# Altium PCB spd150.PcbDoc (part 9 of 15)
Units mil, origin at the board's own origin, x right, y up, seen from the top; angles counter-clockwise.
Board outline 8557 x 5807 mil, 10 copper layers (TOP, LYR2-PLN, LYR3-SIG, LYR4-SIG, LYR5-PLN, LYR6-PLN, LYR7-SIG, LYR8-SIG, LYR9-PLN, BOTTOM), stack 84 mil thick; 1065 components, 972 nets, 4226 pads, 2810 vias.
Unrouted connection lines stored in the file: 16.
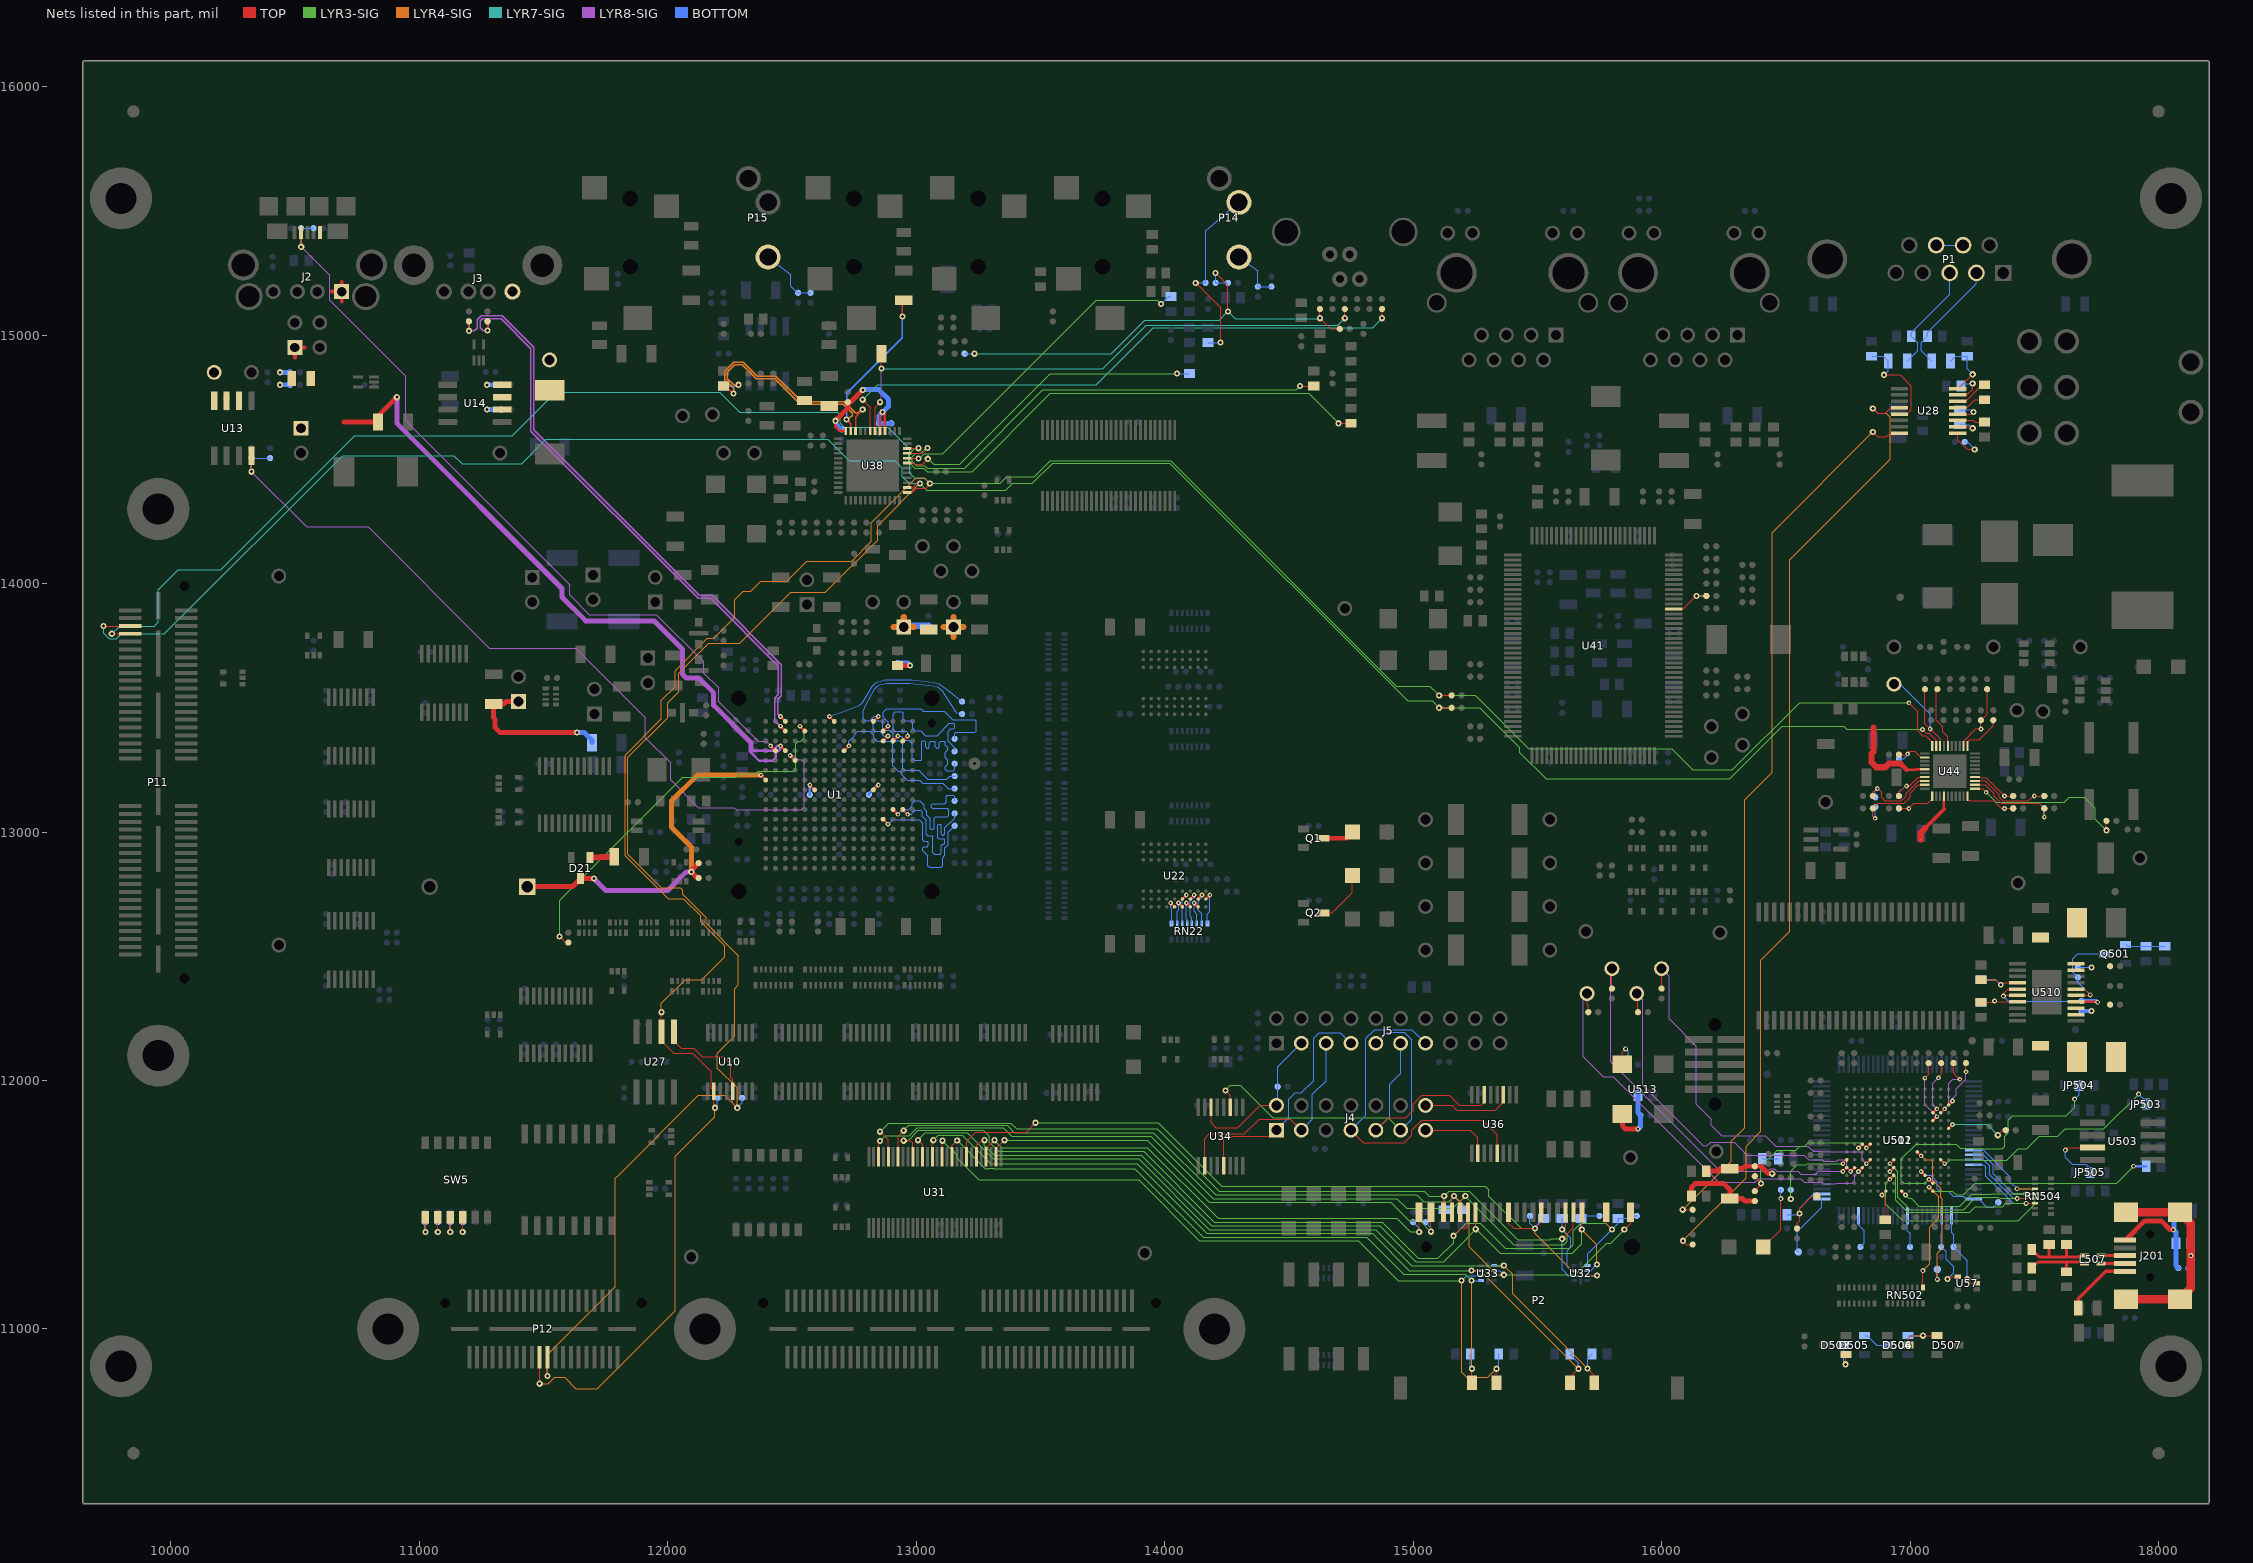
[diagram p17: the nets of this part, all layers, seen from the top]

## Via types
v1: diameter 25, hole 12, TOP to BOTTOM, 2018 vias
v2: diameter 19, hole 8, TOP to BOTTOM, 651 vias
v3: diameter 20, hole 10, TOP to BOTTOM, 120 vias
v4: diameter 22, hole 10, TOP to BOTTOM, 21 vias

## Nets (pads, with @x,y where several pads share a name; then routed paths per layer and width w, separated by ;. In a path a pad name is that pad's centre, name@x,y a point inside that pad or via, vN(x,y) a via of type N, cw(c..) or ccw(c..) an arc to the next point about the centre after c; other vN are vias at no path point) (continued)
GP2: JP503.2 U502.E2 | length 972.3
  TOP w10: U502.E2@17123.3,11681.2 v2(17139,11665.4)
  LYR3-SIG w4: v2(17139,11665.4) 17145.4,11665.4 17160.9,11680.9 17254.1,11680.9 17255,11680
  LYR3-SIG w5: 17255,11680 17390,11680 17435,11725 17470,11725 17520,11775 17595,11775 17625,11805 17780,11805 v3(17920,11945)
  BOTTOM w5: v3(17920,11945) 17950,11915 JP503.2@17950,11905
GP3: JP504.2 U502.B3 | length 1177.1
  TOP w10: v2(17076,11602.4) 17076.1,11602.4 U502.B3@17091.8,11586.7
  LYR3-SIG w4: v2(17076,11602.4) 17060.5,11586.9 16975,11586.9 16965,11596.9 16965,11685 17023.9,11743.9 17186.1,11743.9 17202,11728 17254,11728
  LYR3-SIG w5: 17254,11728 17256,11726 17370,11726 17380,11736 17380,11775 17395,11790 17395,11840 17412.5,11857.5 17627.5,11857.5 17662,11892 v3(17662,11925)
  BOTTOM w5: v3(17662,11925) 17680,11943 JP504.2@17680,11980
GP4: JP508.1 RN502.9 U502.A3 | length 1403.5
  TOP w5: RN502.9@17051.6,11167 v3(17051.6,11235)
  TOP w10: v2(17076,11570.9) 17076.1,11570.9 U502.A3@17091.8,11555.2
  LYR3-SIG w4: v2(17076,11570.9) 17091.9,11555 17170,11555 17185.5,11539.5 17214.5,11539.5
  LYR3-SIG w5: 17214.5,11539.5 17262.5,11587.5 17832.5,11587.5 v3(17900,11655)
  LYR4-SIG w4: v2(17076,11570.9) 17115,11531.9 17115,11455
  LYR4-SIG w5: v3(17051.6,11235) 17079.5,11262.9 17079.5,11409.5 17115,11445 17115,11455
  BOTTOM w10: v3(17900,11655) JP508.1@17950,11655
GP6: R612.1 U502.C4 U511.50 | length 415.2
  TOP w10: v2(17044.5,11633.9) 17060.2,11618.2 U502.C4@17060.3,11618.2
  BOTTOM w4: v2(17044.5,11633.9) 17060.4,11618 17082.4,11618 17110,11590.4 17110,11564.9 17120,11554.9 17154.1,11554.9 17174,11535 17213.6,11535 U511.50@17225,11523.6
  BOTTOM w5: U511.50@17225,11523.6 U511.50@17255,11523.6 17276.4,11523.6 17309.5,11490.5 17335.5,11490.5 R612.1@17355,11510
GPIO_0: R598.1 R611.1 TP520.1 U511.77 | length 361.1
  TOP w5: R598.1@16545,11405 16545,11425 16555,11435 v1(16555,11465) 16555,11485 16605,11535 TP520.1@16625,11535
  BOTTOM w5: R611.1@16505,11460 16550,11460 v1(16555,11465) 16555,11485 16613.3,11543.3 U511.77@16645,11543.3
GPIO_1: R597.1 TP521.1 U511.76 | length 265.9
  BOTTOM w5: TP521.1@16550,11310 16545,11315 R597.1@16545,11405 16560,11405 16645,11490 U511.76@16645,11523.6
HANDSET_MIC_N: C180.1 U38.8 | length 1343.7
  TOP w5: U38.8@12964,14504.5 13008.5,14504.5 v1(13009.5,14503.5)
  LYR3-SIG w5: v1(13009.5,14503.5) 13013.5,14503.5 13032,14522 13107,14522 13725,15140 13970,15140 v1(13985,15125)
  BOTTOM w5: v1(13985,15125) 14015,15155 C180.1@14025,15155
HANDSET_MIC_P: C176.1 U38.7 | length 1308
  TOP w5: U38.7@12964,14484.8 12990.2,14484.8 12995,14480 13026,14480 13047,14501 v1(13047,14502)
  LYR3-SIG w5: v1(13047,14502) 13048,14502 13070,14480 13175,14480 13540,14845 v1(14050,14845)
  BOTTOM w5: v1(14050,14845) C176.1@14100,14845
HANDSET_SPKR_N: C185.1 U38.22 | length 911
  TOP w5.2: C185.1@12225,14795 v1(12265,14765) ; U38.22@12756.1,14614 12756.1,14671.1 v1(12785,14700)
  LYR4-SIG w5.2: v1(12265,14765) 12265,14785 12230,14820 12230,14855 12265,14890 12305,14890 12360,14835 12435,14835 12538.6,14731.4 12711.4,14731.4 12751.3,14691.5 12754,14687.1 12761.2,14685.3 v1(12785,14700)
HANDSET_SPKR_P: C169.1 C186.2 U38.23 | length 1409.4
  TOP w5.2: v1(12720,14660) 12736.4,14643.6 U38.23@12736.4,14614 ; v1(12945,15075) 12945,15135 C169.1@12950,15140
  LYR4-SIG w5.2: v1(12285,14800) 12282.1,14797.1 12267.1,14797.1 12240,14824.2 12240,14850.8 12269.2,14880 12300.8,14880 12355.8,14825 12430.8,14825 12534.4,14721.4 12707.2,14721.4 12743.3,14685.2 12743.5,14684.8 12745.3,14681.9 12743.7,14674.7 v1(12720,14660)
  BOTTOM w5.2: C186.2@12225,14795 12280,14795 v1(12285,14800) ; v1(12720,14660) 12720,14765 12945,14990 v1(12945,15075)
HEADSET_MIC_N: C193.1 U38.10 | length 2101.3
  TOP w5: U38.10@12964,14543.9 13007.9,14543.9 v1(13008.9,14544.9) ; v1(14700,14645) C193.1@14750,14645
  LYR3-SIG w5: v1(13008.9,14544.9) 12994.9,14544.9 12970,14520 12970,14490 12995,14465 13030,14465 13045,14450 13225,14450 13540,14765 14580,14765 v1(14700,14645)
HEADSET_MIC_P: C190.1 U38.9 | length 1948.2
  TOP w5: U38.9@12964,14524.2 13025.2,14524.2 v1(13046,14545) ; v1(14545,14795) C190.1@14600,14795
  LYR3-SIG w5: v1(13046,14545) 13040,14545 13019,14524 12999,14524 12985,14510 12985,14490 13000,14475 13035,14475 13045,14465 13195,14465 13510,14780 14530,14780 v1(14545,14795)
HEADSET_SPKR_N: R231.1 U38.19 | length 2401.4
  TOP w5: v1(12785,14740) 12815.2,14709.8 U38.19@12815.2,14614 ; v1(14875,15068) R231.1@14875,15105
  LYR7-SIG w5: v1(12785,14740) 12845,14800 13725,14800 13955,15030 14837,15030 v1(14875,15068)
HEADSET_SPKR_P: C168.1 R230.1 U38.18 | length 2307.5
  TOP w5: U38.18@12834.8,14614 12834.8,14709.8 v1(12855,14730) ; v1(12860,14865) C168.1@12860,14925 ; v1(14725,15068) R230.1@14725,15105
  LYR7-SIG w5: v1(12860,14865) 13750,14865 13925,15040 14697,15040 v1(14725,15068)
  LYR8-SIG w5: v1(12855,14730) 12860,14735 v1(12860,14865)
HOLDN_WP: JP505.2 U503.7 | length 276.2
  TOP w5: v3(17625,11720) 17635,11730 U503.7@17733.5,11730
  BOTTOM w5: v3(17625,11720) 17625,11690.2 17652.2,11663 17707,11663 17725,11645 JP505.2@17725,11630
HWPOVR: R262.2 R279.1 U41.27 | length 192.6
  TOP w5: U41.27@16049,13897.8 16087.8,13897.8 v1(16140,13950) R279.1@16180,13950
  BOTTOM w5: v1(16140,13950) R262.2@16180,13950
I2C0_SCL: P11.7 P12.19 R42.2 R333.1 U10.2 U27.6 U38.1 U44.30 | length 14558.6
  TOP w5: v1(9763,13798) P11.7@9837,13798 ; v1(11485,10780) P12.19@11485,10887 ; v1(11975,12275) U27.6@11975,12196.5 11975,12160 12025,12110 12100,12110 12175,12035 12175,11968.4 U10.2@12186,11957.4 12186,11894 v1(12190,11890) ; U38.1@12964,14366.8 12986.8,14366.8 13003,14383 13040,14383 13055,14398 v1(13055,14403) ; v1(15105,13550) R333.1@15155,13550 ; v2(16995,13520) 17030,13485 17030,13407 17049,13388 17063,13388 17089.2,13361.8 U44.30@17089.2,13346
  LYR3-SIG w5: v1(13055,14403) 13338,14403 13365,14430 13475,14430 13540,14495 14025,14495 14932.5,13587.5 15067.5,13587.5 v1(15105,13550) 15250,13550 15465,13335 16040,13335 16125,13250 16285,13250 16555,13520 v2(16995,13520)
  LYR4-SIG w5: v1(11485,10780) 11520,10780 11545,10805 11585,10805 11630,10760 11716,10760 12030,11074 12030,11695 12190,11855 v1(12190,11890) ; v1(11975,12275) 11975,12310 12070,12405 12136.3,12405 12230,12498.7 12230,12542.4 12132.5,12639.9 12132.5,12662.5 12062.5,12732.5 12002.5,12732.5 11830,12905 11830,13310 11975,13455 11975,13530 12030,13585 12030,13650 12160,13780 12185,13780 12270,13865 12270,13935 12305,13970 12335,13970 12375,14010 12480,14010 12560,14090 12740,14090 12820,14170 12820,14245 13000,14425 13033,14425 v1(13055,14403)
  LYR7-SIG w5: v1(9763,13798) 9794,13829 9934,13829 9950,13845 9950,13975 10030,14055 10201,14055 10741,14595 11375,14595 11550,14770 12210,14770 12290,14690 12685,14690 12695,14680 12695,14645 12710,14630 12885,14630 12975,14540 12975,14443 12994,14424 13034,14424 v1(13055,14403)
  BOTTOM w5: v1(12190,11890) 12200,11900 R42.2@12200,11930
I2C0_SDA: P11.5 P12.21 R40.2 R389.1 U10.5 U27.5 U38.2 U44.29 | length 14433.8
  TOP w5: v1(9730,13829) P11.5@9837,13829 ; v1(11516,10811) P12.21@11516,10887 ; U27.5@12025,12196.5 12025,12160 12055,12130 12105,12130 12140,12095 12225.5,12095 12254.2,12066.3 12254.2,12011.7 12262.8,12003.1 U10.5@12262.8,11957.4 12262.8,11907.2 v1(12280,11890) ; U38.2@12964,14386.4 12986.4,14386.4 13003,14403 v1(13015,14403) ; v1(15105,13500) R389.1@15155,13500 ; v2(17050,13412.9) 17064.9,13398 17077,13398 17104.9,13370.1 U44.29@17104.9,13346
  LYR3-SIG w5: v1(13015,14403) 13043,14375 13360,14375 13388,14403 13468,14403 13550,14485 14020,14485 14977.5,13527.5 15077.5,13527.5 v1(15105,13500) 15268.2,13500 15430,13338.2 15430,13320 15535,13215 16275,13215 16485,13425 16732.9,13425 16745,13412.9 v2(17050,13412.9)
  LYR4-SIG w5: v1(11516,10811) 11516,10896 11790,11170 11790,11606.8 11808.2,11625 12123.3,11940 12230,11940 v1(12280,11890) 12280,11970 12200,12050 12200,12110 12270,12180 12270,12370 12285,12385 12285,12502 12155,12632 12155,12655 12060,12750 12060,12765 12050,12775 11975,12775 11840,12910 11840,13300 12000,13460 12000,13520 12044.9,13564.9 12044.9,13639.9 12165,13760 12290,13760 12495,13965 12635,13965 12845,14175 12845,14233 v1(13015,14403)
  LYR7-SIG w5: v1(9730,13829) 9730,13800 9752,13778 9780,13778 9800,13798 9975,13798 10692,14515 11140,14515 11172.5,14482.5 11412.5,14482.5 11510,14580 12645,14580 12730,14495 12915,14495 12945,14465 12945,14430 12972,14403 v1(13015,14403)
  BOTTOM w5: v1(12280,11890) 12300,11910 R40.2@12300,11930
JCLK: R604.1 U511.61 | length 129.4
  BOTTOM w5: U511.61@16989.4,11455 16989.4,11395.6 17000,11385 R604.1@17000,11330
JTAG_EMU0: J4.13 U36.2 | length 285.4
  TOP w5: J4.13@15050,11800 15230,11800 15261,11769 U36.2@15261,11707.4
JTAG_EMU1: J4.14 U36.11 | length 364.7
  TOP w5: J4.14@15050,11900 15155,11900 15175,11880 15330,11880 15363.4,11913.4 U36.11@15363.4,11942.6
JTAG_RTCK: J4.9 J5.11 U36.14 | length 953
  TOP w5: J4.9@14850,11800 14900,11850 14970,11850 15000,11880 15000,11905 15035,11940 15145,11940 15185,11900 15275,11900 15286.6,11911.6 U36.14@15286.6,11942.6
  BOTTOM w5: J4.9@14850,11800 14905,11855 14905,11985 14950,12030 J5.11@14950,12150
JTAG_TCK: J4.11 J5.9 U34.11 | length 1422.6
  TOP w5: v1(14245,11960) 14263.4,11941.6 U34.11@14263.4,11892.6
  LYR3-SIG w5: v1(14245,11960) 14265,11980 14305,11980 14435,11850 14900,11850 J4.11@14950,11800
  BOTTOM w5: J5.9@14850,12150 14895,12195 14965,12195 14995,12165 14995,11845 J4.11@14950,11800
JTAG_TDI: J4.3 J5.5 U34.2 | length 940.4
  TOP w5: U34.2@14161,11657.4 14161,11766 14180,11785 14320,11785 14380,11845 14505,11845 J4.3@14550,11800
  BOTTOM w5: J4.3@14550,11800 14595,11845 14595,11945 14650,12000 J5.5@14650,12150
JTAG_TDO: J4.7 J5.13 U36.5 | length 1428.4
  TOP w5: J4.7@14750,11800 14800,11750 14965,11750 14995,11780 14995,11800 15035,11840 15280,11840 15337.8,11782.2 U36.5@15337.8,11707.4
  BOTTOM w5: J4.7@14750,11800 14810,11860 14810,12170 14845,12205 14995,12205 J5.13@15050,12150
JTAG_TMS: J4.1 J5.7 U34.5 | length 959.6
  TOP w5: U34.5@14237.8,11657.4 14237.8,11767.8 14245,11775 14425,11775 J4.1@14450,11800
  BOTTOM w5: J4.1@14450,11800 14500,11850 14500,11925 14525,11950 14550,11950 14600,12000 14600,12170 14622.5,12192.5 14707.5,12192.5 J5.7@14750,12150
JTAG_TRSTN: R605.1 U511.71 | length 140.6
  BOTTOM w5: U511.71@16792.4,11455 16792.4,11417.6 16815,11395 16815,11345 R605.1@16800,11330
JTAG_TRSTN_223: J4.2 J5.3 R169.1 U34.14 | length 663
  TOP w5: U34.14@14186.6,11892.6 14186.6,11830 14206.6,11810 14295,11810 14385,11900 J4.2@14450,11900
  BOTTOM w5: J4.2@14450,11900 14455,11905 R169.1@14455,11975 14455,12055 J5.3@14550,12150
M_EMIFB_D16: RN22.8 U22.A8 | length 140.8
  TOP w10: U22.A8@14166.1,12730.5 v2(14181.8,12746.3)
  BOTTOM w5: RN22.8@14171.6,12632 14171.6,12670 14181.8,12680.2 v2(14181.8,12746.3)
M_EMIFB_D17: RN22.6 U22.B9 | length 109.5
  TOP w10: v2(14118.8,12714.8) U22.B9@14134.6,12699
  BOTTOM w5: v2(14118.8,12714.8) 14118.8,12680.6 14129.4,12670 RN22.6@14129.4,12632
M_EMIFB_D18: RN22.7 U22.B8 | length 148.9
  TOP w10: U22.B8@14134.6,12730.5 v2(14150.3,12746.3)
  BOTTOM w4: 14145,12675 14134.8,12685.2 14134.8,12721.3 14150.3,12736.8 v2(14150.3,12746.3)
  BOTTOM w5: 14145,12675 14149,12671 RN22.7@14149,12632
M_EMIFB_D19: RN22.4 U22.C9 | length 106.3
  TOP w10: v2(14087.3,12714.8) U22.C9@14103.1,12699
  BOTTOM w5: v2(14087.3,12714.8) 14087.3,12675 14087.3,12652 14090.2,12649.1 RN22.4@14090.2,12632
M_EMIFB_D20: RN22.5 U22.C8 | length 145.9
  TOP w10: U22.C8@14103.1,12730.5 v2(14118.8,12746.3)
  BOTTOM w4: 14103.3,12676.7 14103.3,12721.3 14118.8,12736.8 v2(14118.8,12746.3)
  BOTTOM w5: 14103.3,12676.7 14103.3,12661.7 14110,12655 14110,12632.2 RN22.5@14109.8,12632
M_EMIFB_D21: RN22.2 U22.D9 | length 107.1
  TOP w10: v2(14055.8,12714.8) U22.D9@14071.6,12699
  BOTTOM w5: RN22.2@14051,12632 14051,12680.2 14055.8,12685 v2(14055.8,12714.8)
M_EMIFB_D22: RN22.3 U22.D8 | length 143.5
  TOP w10: U22.D8@14071.6,12730.5 v2(14087.3,12746.3)
  BOTTOM w4: 14070.6,12675 14071.3,12675.7 14071.3,12730.3 v2(14087.3,12746.3)
  BOTTOM w5: RN22.3@14070.6,12632 14070.6,12675
M_EMIFB_D23: RN22.1 U22.E9 | length 106.8
  TOP w10: v2(14024.3,12714.8) U22.E9@14040.1,12699
  BOTTOM w5: v2(14024.3,12714.8) 14024.3,12695 14028.4,12690.9 14028.4,12675 RN22.1@14028.4,12632
MBSP1IO_CLKX: RN504.11 U502.C8 U511.40 | length 1230.3
  TOP w5: v3(17431,11564.4) RN504.11@17503,11564.4
  TOP w10: v2(16918.4,11602.4) U502.C8@16934.2,11618.2
  LYR3-SIG w4: v2(16918.4,11602.4) 16902.9,11586.9 16902.9,11502.1 16950,11455
  LYR3-SIG w5: 16950,11455 16970,11435 17435,11435 17500,11500 17500,11550 17485.6,11564.4 v3(17431,11564.4)
  BOTTOM w5: U511.40@17255,11720.6 17294.4,11720.6 17400,11615 17400,11595 17430.6,11564.4 v3(17431,11564.4)
MBSP1IO_DR: RN504.14 U502.D8 U511.43 | length 1040.3
  TOP w5: v3(17466.6,11505.6) RN504.14@17503,11505.6
  TOP w10: v2(16918.4,11633.9) U502.D8@16934.2,11649.7
  LYR3-SIG w4: v2(16918.4,11633.9) 16942.4,11609.9 16942.4,11517.6 16990,11470 17240,11470
  LYR3-SIG w5: 17240,11470 17262.5,11492.5 17372.5,11492.5 17385.6,11505.6 v3(17466.6,11505.6)
  BOTTOM w5: U511.43@17255,11661.5 17293.5,11661.5 17305,11650 17305,11615 17414.4,11505.6 v3(17466.6,11505.6)
MBSP1IO_FSR: RN504.12 U502.A7 U511.41 | length 880.1
  TOP w5: v3(17466.6,11544.8) RN504.12@17503,11544.8
  TOP w10: U502.A7@16965.8,11555.2 v2(16981.5,11539.4)
  LYR3-SIG w4: v2(16981.5,11539.4) 16995.4,11525.5 17004.5,11525.5 17035.5,11494.5 17199.5,11494.5
  LYR3-SIG w5: 17199.5,11494.5 17247.7,11542.7 17312.5,11542.7 17312.7,11542.5 17327.3,11542.5 17329.6,11544.8 v3(17466.6,11544.8)
  BOTTOM w5: U511.41@17255,11700.9 17294.1,11700.9 17335,11660 17335,11625 17415.2,11544.8 v3(17466.6,11544.8)
MBSP1IO_FSX: RN504.13 U502.E8 U511.42 | length 1028.1
  TOP w5: v3(17431,11525.2) RN504.13@17503,11525.2
  TOP w10: v2(16918.4,11665.4) U502.E8@16934.2,11681.2
  LYR3-SIG w4: v2(16918.4,11665.4) 16950.4,11633.4 16950.4,11530 17000.4,11480 17215,11480
  LYR3-SIG w5: 17215,11480 17265,11530 17355.2,11530 17360,11525.2 v3(17431,11525.2)
  BOTTOM w5: U511.42@17255,11681.2 17293.8,11681.2 17320,11655 17320,11620 17414.8,11525.2 v3(17431,11525.2)
MBSP2IO_CLKR: R543.1 U502.A9 | length 127.2
  TOP w4: v2(16886.9,11539.4) 16900,11526.3 R543.1@16900,11455
  TOP w5: v2(16886.9,11539.4) U502.A9@16902.7,11555.2 ; R543.1@16900,11440 R543.1@16900,11455
MIC_BIAS_HS: R190.1 R211.1 R217.1 R225.1 R229.1 | length 1914.6
  TOP w5: v1(14205,15250) 14255,15200 v1(14255,15095) ; R225.1@14625,15105 v1(14625,15068) 14668,15025 R229.1@14705,15025
  LYR7-SIG w5: v1(13235,14925) 13785,14925 13920,15060 14220,15060 v1(14255,15095) 14285,15065 14622,15065 v1(14625,15068)
  BOTTOM w5: R190.1@13195,14925 v1(13235,14925) ; v1(14205,15250) R211.1@14205,15210 R217.1@14255,15210
MMC_SD_CLK: P2.5 P2.20 R156.2 R166.1 U31.36 U32.3 | length 3296.9
  TOP w5: U31.36@13202.9,11693 13202.9,11755.8 13239.8,11792.7 13442.7,11792.7 v1(13480,11830) ; P2.5@15383.6,11470 15383.6,11426.4 15405,11405 v1(15490,11405) 15515.5,11430.5 P2.20@15515.5,11470
  LYR3-SIG w5: v1(13480,11830) 13975,11830 14230,11575 15290,11575 15305.1,11559.9 15305.1,11535 15435.1,11405 v1(15490,11405)
  LYR4-SIG w5: v1(15490,11405) 15490,11385 15660,11215 v1(15740,11215)
  BOTTOM w5: R166.1@15470,11455 15470,11425 v1(15490,11405) 15490,11410 R156.2@15525,11445 ; U32.3@15702,11215 v1(15740,11215)
MMC_SD_CMD: P2.2 P2.17 R155.2 R165.1 U31.34 U32.2 | length 3351.5
  TOP w5: U31.34@13242.3,11693 13242.3,11737.3 13265,11760 v1(13275,11760) ; v1(15251.7,11401.7) P2.17@15251.7,11470 ; v1(15678.8,11400) P2.2@15678.8,11470
  LYR3-SIG w5: v1(13275,11760) 13275,11740 13315,11700 13905,11700 14190,11415 14865,11415 15010,11270 15123.4,11270 15220,11366.6 15220,11370 v1(15251.7,11401.7) 15253.3,11401.7 15350,11305 15640,11305 15678.8,11343.8 v1(15678.8,11400)
  LYR4-SIG w5: v1(15678.8,11400) 15740,11338.8 v1(15740,11260)
  BOTTOM w5: v1(15678.8,11400) 15675,11403.8 R155.2@15675,11445 15685,11455 R165.1@15750,11455 ; U32.2@15702,11235 15715,11235 v1(15740,11260)
MMC_SD_DATA0: P2.7 P2.22 R157.2 U31.54 U32.8 | length 3548
  TOP w5: U31.54@12848.7,11693 12848.7,11750.7 v1(12855,11757) ; P2.7@15189.7,11470 15189.7,11514.7 v1(15210,11535) ; v1(15600,11400) 15613.9,11413.9 P2.22@15613.9,11470
  LYR3-SIG w5: v1(12855,11757) 12876,11778 12973,11778 13004,11809 13351,11809 13385,11775 13945,11775 14195,11525 14935,11525 14975,11485 15160,11485 v1(15210,11535) 15405,11340 15606,11340 15620,11354 15620,11380 v1(15600,11400)
  BOTTOM w5: R157.2@15600,11445 v1(15600,11400) 15635,11365 15635,11330 15620,11315 15620,11250 15635,11235 U32.8@15648,11235
MMC_SD_DATA1: P2.8 P2.23 R158.2 U31.52 U32.7 | length 3515.2
  TOP w5: v1(12855,11794) 12888,11761 U31.52@12888,11693 ; P2.8@15122.7,11470 15122.7,11532.7 v1(15125,11535) ; v1(15600,11363) 15645.4,11408.4 P2.23@15645.4,11470
  LYR3-SIG w5: v1(12855,11794) 12890,11829 13381,11829 13405,11805 13970,11805 14220,11555 15045,11555 15065,11535 v1(15125,11535) 15145,11555 15225,11555 15421,11359 15551,11359 15555,11363 v1(15600,11363)
  BOTTOM w5: R158.2@15125,11480 v1(15125,11535) ; v1(15600,11363) 15600,11240 15625,11215 U32.7@15648,11215
MMC_SD_DATA2: P2.9 P2.24 R159.2 U31.50 U33.2 | length 3714.8
  TOP w5: U31.50@12927.4,11693 12927.4,11775.4 v1(12950,11798) ; P2.24@15156.2,11470 15156.2,11526.2 v1(15165,11535) ; v1(15850,11400) 15875.7,11425.7 P2.9@15875.7,11470
  LYR3-SIG w5: v1(12950,11798) 12971,11819 13366,11819 13395,11790 13955,11790 14205,11540 15015,11540 15042.5,11512.5 15142.5,11512.5 v1(15165,11535) ; v1(15365,11218) 15653,11218 15780,11345 15795,11345 v1(15850,11400)
  LYR4-SIG w5: v1(15165,11535) 15225,11475 15225,11330 15337,11218 v1(15365,11218)
  BOTTOM w5: v1(15165,11535) 15200,11500 R159.2@15200,11480 ; U33.2@15327,11235 15348,11235 v1(15365,11218)
MMC_SD_DATA3: P2.1 P2.16 R154.2 R164.1 U31.47 U32.1 | length 3916.9
  TOP w5: v1(12950,11758) 12977,11758 12986.4,11748.6 U31.47@12986.4,11693 ; v1(15163,11375) 15193,11405 15210,11405 15220.4,11415.4 P2.16@15220.4,11470 ; P2.1@15777.3,11470 15777.3,11422.7 v1(15800,11400)
  LYR3-SIG w5: v1(12950,11758) 12968,11758 13009,11799 13271,11799 13295,11775 13295,11751.7 13331.7,11715 13915,11715 14200,11430 14875,11430 15020,11285 15100,11285 15163,11348 v1(15163,11375) 15213,11425 15270,11425 15370,11325 15630,11325 15645,11340 15645,11395 15675,11425 15775,11425 v1(15800,11400)
  BOTTOM w5: U32.1@15702,11255 15702,11302 v1(15800,11400) 15825,11425 R154.2@15825,11445 15865,11445 15875,11455 R164.1@15900,11455
MMC_SD_DATA4: P2.10 R160.2 U31.45 U33.1 | length 3392.9
  TOP w5: v1(13007,11760) 13025.8,11741.2 U31.45@13025.8,11693 ; v1(15702,10840.6) 15702,10839.4 15729,10812.4 P2.10@15729,10783.7
  LYR3-SIG w5: v1(13007,11760) 13036,11789 13206,11789 13310,11685 13895,11685 14180,11400 14850,11400 14995,11255 v1(15365,11255)
  LYR4-SIG w5: v1(15365,11255) 15400,11220 15400,11142.6 v1(15702,10840.6)
  BOTTOM w5: U33.1@15327,11255 v1(15365,11255) ; v1(15702,10840.6) 15702,10882 R160.2@15720,10900
MMC_SD_DATA5: P2.11 R161.2 U31.43 U33.8 | length 3244.4
  TOP w5: U31.43@13065.2,11693 13065.2,11756.2 v1(13069,11760) ; P2.11@15630.6,10783.7 15630.6,10805.6 v1(15665,10840)
  LYR3-SIG w5: v1(13069,11760) 13088,11779 13186,11779 13300,11665 13890,11665 14170,11385 14835,11385 14985,11235 v1(15235,11235)
  LYR4-SIG w5: v1(15235,11235) 15270,11235 v1(15665,10840)
  BOTTOM w5: v1(15235,11235) U33.8@15273,11235 ; R161.2@15630,10900 15665,10865 v1(15665,10840)
MMC_SD_DATA6: P2.12 R162.2 U31.41 U33.7 | length 3134.5
  TOP w5: U31.41@13104.5,11693 13104.5,11756.5 v1(13106,11758) ; P2.12@15335.3,10783.7 v1(15335.3,10840)
  LYR3-SIG w5: v1(13106,11758) 13165,11699 13165,11687 13252,11600 13895,11600 14140,11355 14780,11355 14940,11195 v1(15195,11195)

## Text inside footprints (layer, text, board x,y; h text height)
R59: PIN_NUMBER "2" at 10567,15430 h20; PIN_NUMBER "1" at 10607,15430 h20; ASSEMBLY_BOTTOM "USERPART#" at 10595,15280 h25; ASSEMBLY_BOTTOM "TOLERANCE" at 10595,15330 h25; ASSEMBLY_BOTTOM "NO-POP" at 10595,15430 h25; SYMBOL_PART_DIM "0" at 10687,15417 h25; SYMBOL_PART_DIM "0" at 10603,15346 h25; SYMBOL_PART_DIM "C402-35X32" at 10718,15292 h25; SYMBOL_PART_DIM "PAD 35X32 OV" at 10718,15242 h25
R60: PIN_NUMBER "2" at 11362,14700 h20 r180; PIN_NUMBER "1" at 11322,14700 h20 r180; ASSEMBLY_BOTTOM "USERPART#" at 11350,14850 h25 r180; ASSEMBLY_BOTTOM "TOLERANCE" at 11350,14800 h25 r180; ASSEMBLY_BOTTOM "100K" at 11350,14700 h25 r180; SYMBOL_PART_DIM "0" at 11258,14713 h25 r180; SYMBOL_PART_DIM "0" at 11342,14784 h25 r180; SYMBOL_PART_DIM "C402-35X32" at 11227,14838 h25 r180; SYMBOL_PART_DIM "PAD 35X32 OV" at 11227,14888 h25 r180
R61: PIN_NUMBER "1" at 11297,14650 h20 r180; PIN_NUMBER "2" at 11337,14650 h20 r180; ASSEMBLY_BOTTOM "USERPART#" at 11325,14800 h25 r180; ASSEMBLY_BOTTOM "TOLERANCE" at 11325,14750 h25 r180; ASSEMBLY_BOTTOM "10K" at 11325,14650 h25 r180; SYMBOL_PART_DIM "0" at 11233,14663 h25 r180; SYMBOL_PART_DIM "0" at 11317,14734 h25 r180; SYMBOL_PART_DIM "C402-35X32" at 11202,14788 h25 r180; SYMBOL_PART_DIM "PAD 35X32 OV" at 11202,14838 h25 r180
R62: PIN_NUMBER "1" at 11137,14650 h20; PIN_NUMBER "2" at 11097,14650 h20; ASSEMBLY_BOTTOM "USERPART#" at 11125,14500 h25; ASSEMBLY_BOTTOM "TOLERANCE" at 11125,14550 h25; ASSEMBLY_BOTTOM "10K" at 11125,14650 h25; SYMBOL_PART_DIM "0" at 11217,14637 h25; SYMBOL_PART_DIM "0" at 11133,14566 h25; SYMBOL_PART_DIM "C402-35X32" at 11248,14512 h25; SYMBOL_PART_DIM "PAD 35X32 OV" at 11248,14462 h25
R63: PIN_NUMBER "1" at 11989,13710 h40 r270; PIN_NUMBER "2" at 11989,13590 h40 r270; ASSEMBLY_TOP "X" at 12010,13625 h40 r270; ASSEMBLY_TOP "X" at 12005,13655 h40 r270; ASSEMBLY_TOP "0.02" at 12005,13695 h40 r270; SYMB_DIM "0" at 12000,13825 h40 r270; SYMB_DIM "0" at 11875,13675 h40 r270; SYMB_DIM "R1206-40X70" at 12049,13650 h40 r270; SYMB_DIM "SP  40X70OV" at 11724,13225 h40 r270; SYMB_DIM "SM  48X78OV" at 11804,13225 h40 r270; SYMB_DIM "PAD 40X70OV" at 11874,13225 h40 r270
R64: PIN_NUMBER "1" at 12064,13915 h40 r90; PIN_NUMBER "2" at 12064,14035 h40 r90; ASSEMBLY_TOP "X" at 12075,14000 h40 r90; ASSEMBLY_TOP "X" at 12080,13970 h40 r90; ASSEMBLY_TOP "0.02" at 12080,13930 h40 r90; SYMB_DIM "0" at 12085,13800 h40 r90; SYMB_DIM "0" at 12210,13950 h40 r90; SYMB_DIM "R1206-40X70" at 11684,13975 h40 r90; SYMB_DIM "SP  40X70OV" at 12009,14400 h40 r90; SYMB_DIM "SM  48X78OV" at 11929,14400 h40 r90; SYMB_DIM "PAD 40X70OV" at 11859,14400 h40 r90
R65: PIN_NUMBER "2" at 12642,12670 h20 r270; PIN_NUMBER "1" at 12642,12630 h20 r270; ASSEMBLY_BOTTOM "USERPART#" at 12500,12650 h25 r270; ASSEMBLY_BOTTOM "TOLERANCE" at 12550,12650 h25 r270; ASSEMBLY_BOTTOM "10K" at 12650,12650 h25 r270; SYMBOL_PART_DIM "0" at 12637,12558 h25 r270; SYMBOL_PART_DIM "0" at 12566,12642 h25 r270; SYMBOL_PART_DIM "C402-35X32" at 12512,12527 h25 r270; SYMBOL_PART_DIM "PAD 35X32 OV" at 12462,12527 h25 r270
R66: PIN_NUMBER "2" at 12642,12730 h20 r90; PIN_NUMBER "1" at 12642,12770 h20 r90; ASSEMBLY_BOTTOM "USERPART#" at 12800,12750 h25 r90; ASSEMBLY_BOTTOM "TOLERANCE" at 12750,12750 h25 r90; ASSEMBLY_BOTTOM "22" at 12650,12750 h25 r90; SYMBOL_PART_DIM "0" at 12663,12842 h25 r90; SYMBOL_PART_DIM "0" at 12734,12758 h25 r90; SYMBOL_PART_DIM "C402-35X32" at 12788,12873 h25 r90; SYMBOL_PART_DIM "PAD 35X32 OV" at 12838,12873 h25 r90
R67: PIN_NUMBER "2" at 12917,12375 h20 r90; PIN_NUMBER "1" at 12917,12415 h20 r90; ASSEMBLY_BOTTOM "USERPART#" at 13075,12395 h25 r90; ASSEMBLY_BOTTOM "TOLERANCE" at 13025,12395 h25 r90; ASSEMBLY_BOTTOM "20K" at 12925,12395 h25 r90; SYMBOL_PART_DIM "0" at 12938,12487 h25 r90; SYMBOL_PART_DIM "0" at 13009,12403 h25 r90; SYMBOL_PART_DIM "C402-35X32" at 13063,12518 h25 r90; SYMBOL_PART_DIM "PAD 35X32 OV" at 13113,12518 h25 r90
R68: PIN_NUMBER "1" at 12967,12415 h20 r90; PIN_NUMBER "2" at 12967,12375 h20 r90; ASSEMBLY_BOTTOM "USERPART#" at 13125,12395 h25 r90; ASSEMBLY_BOTTOM "TOLERANCE" at 13075,12395 h25 r90; ASSEMBLY_BOTTOM "NO-POP" at 12975,12395 h25 r90; SYMBOL_PART_DIM "0" at 12988,12487 h25 r90; SYMBOL_PART_DIM "0" at 13059,12403 h25 r90; SYMBOL_PART_DIM "C402-35X32" at 13113,12518 h25 r90; SYMBOL_PART_DIM "PAD 35X32 OV" at 13163,12518 h25 r90
R69: PIN_NUMBER "2" at 12742,12730 h20 r90; PIN_NUMBER "1" at 12742,12770 h20 r90; ASSEMBLY_BOTTOM "USERPART#" at 12900,12750 h25 r90; ASSEMBLY_BOTTOM "TOLERANCE" at 12850,12750 h25 r90; ASSEMBLY_BOTTOM "22" at 12750,12750 h25 r90; SYMBOL_PART_DIM "0" at 12763,12842 h25 r90; SYMBOL_PART_DIM "0" at 12834,12758 h25 r90; SYMBOL_PART_DIM "C402-35X32" at 12888,12873 h25 r90; SYMBOL_PART_DIM "PAD 35X32 OV" at 12938,12873 h25 r90
R70: PIN_NUMBER "1" at 13092,12380 h20 r270; PIN_NUMBER "2" at 13092,12420 h20 r270; ASSEMBLY_BOTTOM "USERPART#" at 12950,12400 h25 r270; ASSEMBLY_BOTTOM "TOLERANCE" at 13000,12400 h25 r270; ASSEMBLY_BOTTOM "20K" at 13100,12400 h25 r270; SYMBOL_PART_DIM "0" at 13087,12308 h25 r270; SYMBOL_PART_DIM "0" at 13016,12392 h25 r270; SYMBOL_PART_DIM "C402-35X32" at 12962,12277 h25 r270; SYMBOL_PART_DIM "PAD 35X32 OV" at 12912,12277 h25 r270
R71: PIN_NUMBER "2" at 13142,12420 h20 r270; PIN_NUMBER "1" at 13142,12380 h20 r270; ASSEMBLY_BOTTOM "USERPART#" at 13000,12400 h25 r270; ASSEMBLY_BOTTOM "TOLERANCE" at 13050,12400 h25 r270; ASSEMBLY_BOTTOM "NO-POP" at 13150,12400 h25 r270; SYMBOL_PART_DIM "0" at 13137,12308 h25 r270; SYMBOL_PART_DIM "0" at 13066,12392 h25 r270; SYMBOL_PART_DIM "C402-35X32" at 13012,12277 h25 r270; SYMBOL_PART_DIM "PAD 35X32 OV" at 12962,12277 h25 r270
R72: PIN_NUMBER "2" at 12392,12630 h20 r90; PIN_NUMBER "1" at 12392,12670 h20 r90; ASSEMBLY_BOTTOM "USERPART#" at 12550,12650 h25 r90; ASSEMBLY_BOTTOM "TOLERANCE" at 12500,12650 h25 r90; ASSEMBLY_BOTTOM "22" at 12400,12650 h25 r90; SYMBOL_PART_DIM "0" at 12413,12742 h25 r90; SYMBOL_PART_DIM "0" at 12484,12658 h25 r90; SYMBOL_PART_DIM "C402-35X32" at 12538,12773 h25 r90; SYMBOL_PART_DIM "PAD 35X32 OV" at 12588,12773 h25 r90
R73: PIN_NUMBER "2" at 12282,12555 h20 r90; PIN_NUMBER "1" at 12282,12595 h20 r90; ASSEMBLY_BOTTOM "USERPART#" at 12440,12575 h25 r90; ASSEMBLY_BOTTOM "TOLERANCE" at 12390,12575 h25 r90; ASSEMBLY_BOTTOM "20K" at 12290,12575 h25 r90; SYMBOL_PART_DIM "0" at 12303,12667 h25 r90; SYMBOL_PART_DIM "0" at 12374,12583 h25 r90; SYMBOL_PART_DIM "C402-35X32" at 12428,12698 h25 r90; SYMBOL_PART_DIM "PAD 35X32 OV" at 12478,12698 h25 r90
R74: PIN_NUMBER "2" at 12332,12595 h20 r270; PIN_NUMBER "1" at 12332,12555 h20 r270; ASSEMBLY_BOTTOM "USERPART#" at 12190,12575 h25 r270; ASSEMBLY_BOTTOM "TOLERANCE" at 12240,12575 h25 r270; ASSEMBLY_BOTTOM "NO-POP" at 12340,12575 h25 r270; SYMBOL_PART_DIM "0" at 12327,12483 h25 r270; SYMBOL_PART_DIM "0" at 12256,12567 h25 r270; SYMBOL_PART_DIM "C402-35X32" at 12202,12452 h25 r270; SYMBOL_PART_DIM "PAD 35X32 OV" at 12152,12452 h25 r270
R75: PIN_NUMBER "1" at 12692,12770 h20 r90; PIN_NUMBER "2" at 12692,12730 h20 r90; ASSEMBLY_BOTTOM "USERPART#" at 12850,12750 h25 r90; ASSEMBLY_BOTTOM "TOLERANCE" at 12800,12750 h25 r90; ASSEMBLY_BOTTOM "22" at 12700,12750 h25 r90; SYMBOL_PART_DIM "0" at 12713,12842 h25 r90; SYMBOL_PART_DIM "0" at 12784,12758 h25 r90; SYMBOL_PART_DIM "C402-35X32" at 12838,12873 h25 r90; SYMBOL_PART_DIM "PAD 35X32 OV" at 12888,12873 h25 r90
R76: PIN_NUMBER "1" at 13147,12975 h20 r180; PIN_NUMBER "2" at 13187,12975 h20 r180; ASSEMBLY_BOTTOM "USERPART#" at 13175,13125 h25 r180; ASSEMBLY_BOTTOM "TOLERANCE" at 13175,13075 h25 r180; ASSEMBLY_BOTTOM "22" at 13175,12975 h25 r180; SYMBOL_PART_DIM "0" at 13083,12988 h25 r180; SYMBOL_PART_DIM "0" at 13167,13059 h25 r180; SYMBOL_PART_DIM "C402-35X32" at 13052,13113 h25 r180; SYMBOL_PART_DIM "PAD 35X32 OV" at 13052,13163 h25 r180
R77: PIN_NUMBER "1" at 12742,12670 h20 r90; PIN_NUMBER "2" at 12742,12630 h20 r90; ASSEMBLY_BOTTOM "USERPART#" at 12900,12650 h25 r90; ASSEMBLY_BOTTOM "TOLERANCE" at 12850,12650 h25 r90; ASSEMBLY_BOTTOM "22" at 12750,12650 h25 r90; SYMBOL_PART_DIM "0" at 12763,12742 h25 r90; SYMBOL_PART_DIM "0" at 12834,12658 h25 r90; SYMBOL_PART_DIM "C402-35X32" at 12888,12773 h25 r90; SYMBOL_PART_DIM "PAD 35X32 OV" at 12938,12773 h25 r90
R78: PIN_NUMBER "2" at 12842,12630 h20 r90; PIN_NUMBER "1" at 12842,12670 h20 r90; ASSEMBLY_BOTTOM "USERPART#" at 13000,12650 h25 r90; ASSEMBLY_BOTTOM "TOLERANCE" at 12950,12650 h25 r90; ASSEMBLY_BOTTOM "22" at 12850,12650 h25 r90; SYMBOL_PART_DIM "0" at 12863,12742 h25 r90; SYMBOL_PART_DIM "0" at 12934,12658 h25 r90; SYMBOL_PART_DIM "C402-35X32" at 12988,12773 h25 r90; SYMBOL_PART_DIM "PAD 35X32 OV" at 13038,12773 h25 r90
R79: PIN_NUMBER "2" at 12842,12730 h20 r90; PIN_NUMBER "1" at 12842,12770 h20 r90; ASSEMBLY_BOTTOM "USERPART#" at 13000,12750 h25 r90; ASSEMBLY_BOTTOM "TOLERANCE" at 12950,12750 h25 r90; ASSEMBLY_BOTTOM "22" at 12850,12750 h25 r90; SYMBOL_PART_DIM "0" at 12863,12842 h25 r90; SYMBOL_PART_DIM "0" at 12934,12758 h25 r90; SYMBOL_PART_DIM "C402-35X32" at 12988,12873 h25 r90; SYMBOL_PART_DIM "PAD 35X32 OV" at 13038,12873 h25 r90
R80: PIN_NUMBER "2" at 12692,12630 h20 r90; PIN_NUMBER "1" at 12692,12670 h20 r90; ASSEMBLY_BOTTOM "USERPART#" at 12850,12650 h25 r90; ASSEMBLY_BOTTOM "TOLERANCE" at 12800,12650 h25 r90; ASSEMBLY_BOTTOM "22" at 12700,12650 h25 r90; SYMBOL_PART_DIM "0" at 12713,12742 h25 r90; SYMBOL_PART_DIM "0" at 12784,12658 h25 r90; SYMBOL_PART_DIM "C402-35X32" at 12838,12773 h25 r90; SYMBOL_PART_DIM "PAD 35X32 OV" at 12888,12773 h25 r90
R81: PIN_NUMBER "2" at 13247,12825 h20; PIN_NUMBER "1" at 13287,12825 h20; ASSEMBLY_BOTTOM "USERPART#" at 13275,12675 h25; ASSEMBLY_BOTTOM "TOLERANCE" at 13275,12725 h25; ASSEMBLY_BOTTOM "20K" at 13275,12825 h25; SYMBOL_PART_DIM "0" at 13367,12812 h25; SYMBOL_PART_DIM "0" at 13283,12741 h25; SYMBOL_PART_DIM "C402-35X32" at 13398,12687 h25; SYMBOL_PART_DIM "PAD 35X32 OV" at 13398,12637 h25
R82: PIN_NUMBER "2" at 13187,12875 h20 r180; PIN_NUMBER "1" at 13147,12875 h20 r180; ASSEMBLY_BOTTOM "USERPART#" at 13175,13025 h25 r180; ASSEMBLY_BOTTOM "TOLERANCE" at 13175,12975 h25 r180; ASSEMBLY_BOTTOM "22" at 13175,12875 h25 r180; SYMBOL_PART_DIM "0" at 13083,12888 h25 r180; SYMBOL_PART_DIM "0" at 13167,12959 h25 r180; SYMBOL_PART_DIM "C402-35X32" at 13052,13013 h25 r180; SYMBOL_PART_DIM "PAD 35X32 OV" at 13052,13063 h25 r180
R83: PIN_NUMBER "2" at 12442,11970 h20 r270; PIN_NUMBER "1" at 12442,11930 h20 r270; ASSEMBLY_BOTTOM "USERPART#" at 12300,11950 h25 r270; ASSEMBLY_BOTTOM "TOLERANCE" at 12350,11950 h25 r270; ASSEMBLY_BOTTOM "2K" at 12450,11950 h25 r270; SYMBOL_PART_DIM "0" at 12437,11858 h25 r270; SYMBOL_PART_DIM "0" at 12366,11942 h25 r270; SYMBOL_PART_DIM "C402-35X32" at 12312,11827 h25 r270; SYMBOL_PART_DIM "PAD 35X32 OV" at 12262,11827 h25 r270
R84: PIN_NUMBER "2" at 12717,11970 h20 r270; PIN_NUMBER "1" at 12717,11930 h20 r270; ASSEMBLY_BOTTOM "USERPART#" at 12575,11950 h25 r270; ASSEMBLY_BOTTOM "TOLERANCE" at 12625,11950 h25 r270; ASSEMBLY_BOTTOM "2K" at 12725,11950 h25 r270; SYMBOL_PART_DIM "0" at 12712,11858 h25 r270; SYMBOL_PART_DIM "0" at 12641,11942 h25 r270; SYMBOL_PART_DIM "C402-35X32" at 12587,11827 h25 r270; SYMBOL_PART_DIM "PAD 35X32 OV" at 12537,11827 h25 r270
R85: PIN_NUMBER "2" at 13287,12875 h20 r180; PIN_NUMBER "1" at 13247,12875 h20 r180; ASSEMBLY_BOTTOM "USERPART#" at 13275,13025 h25 r180; ASSEMBLY_BOTTOM "TOLERANCE" at 13275,12975 h25 r180; ASSEMBLY_BOTTOM "NO-POP" at 13275,12875 h25 r180; SYMBOL_PART_DIM "0" at 13183,12888 h25 r180; SYMBOL_PART_DIM "0" at 13267,12959 h25 r180; SYMBOL_PART_DIM "C402-35X32" at 13152,13013 h25 r180; SYMBOL_PART_DIM "PAD 35X32 OV" at 13152,13063 h25 r180
R86: PIN_NUMBER "1" at 13147,12925 h20 r180; PIN_NUMBER "2" at 13187,12925 h20 r180; ASSEMBLY_BOTTOM "USERPART#" at 13175,13075 h25 r180; ASSEMBLY_BOTTOM "TOLERANCE" at 13175,13025 h25 r180; ASSEMBLY_BOTTOM "22" at 13175,12925 h25 r180; SYMBOL_PART_DIM "0" at 13083,12938 h25 r180; SYMBOL_PART_DIM "0" at 13167,13009 h25 r180; SYMBOL_PART_DIM "C402-35X32" at 13052,13063 h25 r180; SYMBOL_PART_DIM "PAD 35X32 OV" at 13052,13113 h25 r180
R87: PIN_NUMBER "1" at 12892,12770 h20 r90; PIN_NUMBER "2" at 12892,12730 h20 r90; ASSEMBLY_BOTTOM "USERPART#" at 13050,12750 h25 r90; ASSEMBLY_BOTTOM "TOLERANCE" at 13000,12750 h25 r90; ASSEMBLY_BOTTOM "22" at 12900,12750 h25 r90; SYMBOL_PART_DIM "0" at 12913,12842 h25 r90; SYMBOL_PART_DIM "0" at 12984,12758 h25 r90; SYMBOL_PART_DIM "C402-35X32" at 13038,12873 h25 r90; SYMBOL_PART_DIM "PAD 35X32 OV" at 13088,12873 h25 r90
R88: PIN_NUMBER "2" at 12992,11970 h20 r270; PIN_NUMBER "1" at 12992,11930 h20 r270; ASSEMBLY_BOTTOM "USERPART#" at 12850,11950 h25 r270; ASSEMBLY_BOTTOM "TOLERANCE" at 12900,11950 h25 r270; ASSEMBLY_BOTTOM "2K" at 13000,11950 h25 r270; SYMBOL_PART_DIM "0" at 12987,11858 h25 r270; SYMBOL_PART_DIM "0" at 12916,11942 h25 r270; SYMBOL_PART_DIM "C402-35X32" at 12862,11827 h25 r270; SYMBOL_PART_DIM "PAD 35X32 OV" at 12812,11827 h25 r270
R89: PIN_NUMBER "2" at 13267,11970 h20 r270; PIN_NUMBER "1" at 13267,11930 h20 r270; ASSEMBLY_BOTTOM "USERPART#" at 13125,11950 h25 r270; ASSEMBLY_BOTTOM "TOLERANCE" at 13175,11950 h25 r270; ASSEMBLY_BOTTOM "2K" at 13275,11950 h25 r270; SYMBOL_PART_DIM "0" at 13262,11858 h25 r270; SYMBOL_PART_DIM "0" at 13191,11942 h25 r270; SYMBOL_PART_DIM "C402-35X32" at 13137,11827 h25 r270; SYMBOL_PART_DIM "PAD 35X32 OV" at 13087,11827 h25 r270
R90: PIN_NUMBER "1" at 13187,13225 h20; PIN_NUMBER "2" at 13147,13225 h20; ASSEMBLY_BOTTOM "USERPART#" at 13175,13075 h25; ASSEMBLY_BOTTOM "TOLERANCE" at 13175,13125 h25; ASSEMBLY_BOTTOM "22" at 13175,13225 h25; SYMBOL_PART_DIM "0" at 13267,13212 h25; SYMBOL_PART_DIM "0" at 13183,13141 h25; SYMBOL_PART_DIM "C402-35X32" at 13298,13087 h25; SYMBOL_PART_DIM "PAD 35X32 OV" at 13298,13037 h25
R91: PIN_NUMBER "1" at 13187,13275 h20; PIN_NUMBER "2" at 13147,13275 h20; ASSEMBLY_BOTTOM "USERPART#" at 13175,13125 h25; ASSEMBLY_BOTTOM "TOLERANCE" at 13175,13175 h25; ASSEMBLY_BOTTOM "22" at 13175,13275 h25; SYMBOL_PART_DIM "0" at 13267,13262 h25; SYMBOL_PART_DIM "0" at 13183,13191 h25; SYMBOL_PART_DIM "C402-35X32" at 13298,13137 h25; SYMBOL_PART_DIM "PAD 35X32 OV" at 13298,13087 h25
R92: PIN_NUMBER "1" at 13187,13175 h20; PIN_NUMBER "2" at 13147,13175 h20; ASSEMBLY_BOTTOM "USERPART#" at 13175,13025 h25; ASSEMBLY_BOTTOM "TOLERANCE" at 13175,13075 h25; ASSEMBLY_BOTTOM "22" at 13175,13175 h25; SYMBOL_PART_DIM "0" at 13267,13162 h25; SYMBOL_PART_DIM "0" at 13183,13091 h25; SYMBOL_PART_DIM "C402-35X32" at 13298,13037 h25; SYMBOL_PART_DIM "PAD 35X32 OV" at 13298,12987 h25
R93: PIN_NUMBER "1" at 13187,13025 h20; PIN_NUMBER "2" at 13147,13025 h20; ASSEMBLY_BOTTOM "USERPART#" at 13175,12875 h25; ASSEMBLY_BOTTOM "TOLERANCE" at 13175,12925 h25; ASSEMBLY_BOTTOM "22" at 13175,13025 h25; SYMBOL_PART_DIM "0" at 13267,13012 h25; SYMBOL_PART_DIM "0" at 13183,12941 h25; SYMBOL_PART_DIM "C402-35X32" at 13298,12887 h25; SYMBOL_PART_DIM "PAD 35X32 OV" at 13298,12837 h25
R94: PIN_NUMBER "1" at 13217,13525 h20; PIN_NUMBER "2" at 13177,13525 h20; ASSEMBLY_BOTTOM "USERPART#" at 13205,13375 h25; ASSEMBLY_BOTTOM "TOLERANCE" at 13205,13425 h25; ASSEMBLY_BOTTOM "22" at 13205,13525 h25; SYMBOL_PART_DIM "0" at 13297,13512 h25; SYMBOL_PART_DIM "0" at 13213,13441 h25; SYMBOL_PART_DIM "C402-35X32" at 13328,13387 h25; SYMBOL_PART_DIM "PAD 35X32 OV" at 13328,13337 h25
R95: PIN_NUMBER "1" at 13187,13125 h20; PIN_NUMBER "2" at 13147,13125 h20; ASSEMBLY_BOTTOM "USERPART#" at 13175,12975 h25; ASSEMBLY_BOTTOM "TOLERANCE" at 13175,13025 h25; ASSEMBLY_BOTTOM "22" at 13175,13125 h25; SYMBOL_PART_DIM "0" at 13267,13112 h25; SYMBOL_PART_DIM "0" at 13183,13041 h25; SYMBOL_PART_DIM "C402-35X32" at 13298,12987 h25; SYMBOL_PART_DIM "PAD 35X32 OV" at 13298,12937 h25
R96: PIN_NUMBER "2" at 13147,13325 h20; PIN_NUMBER "1" at 13187,13325 h20; ASSEMBLY_BOTTOM "USERPART#" at 13175,13175 h25; ASSEMBLY_BOTTOM "TOLERANCE" at 13175,13225 h25; ASSEMBLY_BOTTOM "22" at 13175,13325 h25; SYMBOL_PART_DIM "0" at 13267,13312 h25; SYMBOL_PART_DIM "0" at 13183,13241 h25; SYMBOL_PART_DIM "C402-35X32" at 13298,13187 h25; SYMBOL_PART_DIM "PAD 35X32 OV" at 13298,13137 h25
R97: PIN_NUMBER "1" at 13187,13375 h20; PIN_NUMBER "2" at 13147,13375 h20; ASSEMBLY_BOTTOM "USERPART#" at 13175,13225 h25; ASSEMBLY_BOTTOM "TOLERANCE" at 13175,13275 h25; ASSEMBLY_BOTTOM "22" at 13175,13375 h25; SYMBOL_PART_DIM "0" at 13267,13362 h25; SYMBOL_PART_DIM "0" at 13183,13291 h25; SYMBOL_PART_DIM "C402-35X32" at 13298,13237 h25; SYMBOL_PART_DIM "PAD 35X32 OV" at 13298,13187 h25
R98: PIN_NUMBER "1" at 13217,13475 h20; PIN_NUMBER "2" at 13177,13475 h20; ASSEMBLY_BOTTOM "USERPART#" at 13205,13325 h25; ASSEMBLY_BOTTOM "TOLERANCE" at 13205,13375 h25; ASSEMBLY_BOTTOM "22" at 13205,13475 h25; SYMBOL_PART_DIM "0" at 13297,13462 h25; SYMBOL_PART_DIM "0" at 13213,13391 h25; SYMBOL_PART_DIM "C402-35X32" at 13328,13337 h25; SYMBOL_PART_DIM "PAD 35X32 OV" at 13328,13287 h25
R99: PIN_NUMBER "2" at 13147,13075 h20; PIN_NUMBER "1" at 13187,13075 h20; ASSEMBLY_BOTTOM "USERPART#" at 13175,12925 h25; ASSEMBLY_BOTTOM "TOLERANCE" at 13175,12975 h25; ASSEMBLY_BOTTOM "22" at 13175,13075 h25; SYMBOL_PART_DIM "0" at 13267,13062 h25; SYMBOL_PART_DIM "0" at 13183,12991 h25; SYMBOL_PART_DIM "C402-35X32" at 13298,12937 h25; SYMBOL_PART_DIM "PAD 35X32 OV" at 13298,12887 h25
R100: PIN_NUMBER "1" at 11889,12920 h40 r180; PIN_NUMBER "2" at 11769,12920 h40 r180; ASSEMBLY_TOP "X" at 11820,12915 h40 r180; ASSEMBLY_TOP "X" at 11850,12920 h40 r180; ASSEMBLY_TOP "0.02" at 11890,12920 h40 r180; SYMB_DIM "0" at 12020,12925 h40 r180; SYMB_DIM "0" at 11870,13050 h40 r180; SYMB_DIM "R1206-40X70" at 11669,12700 h40 r180; SYMB_DIM "SP  40X70OV" at 11244,13025 h40 r180; SYMB_DIM "SM  48X78OV" at 11244,12945 h40 r180; SYMB_DIM "PAD 40X70OV" at 11244,12875 h40 r180
R101: PIN_NUMBER "2" at 16267,12725 h20 r270; PIN_NUMBER "1" at 16267,12765 h20 r270; ASSEMBLY_TOP "USERPART#" at 16125,12745 h25 r270; ASSEMBLY_TOP "TOLERANCE" at 16175,12745 h25 r270; ASSEMBLY_TOP "10K" at 16275,12745 h25 r270; SYMBOL_PART_DIM "0" at 16262,12837 h25 r270; SYMBOL_PART_DIM "0" at 16191,12753 h25 r270; SYMBOL_PART_DIM "C402-35X32" at 16137,12868 h25 r270; SYMBOL_PART_DIM "PAD 35X32 OV" at 16087,12868 h25 r270
R102: PIN_NUMBER "2" at 16267,12765 h20 r270; PIN_NUMBER "1" at 16267,12725 h20 r270; ASSEMBLY_BOTTOM "USERPART#" at 16125,12745 h25 r270; ASSEMBLY_BOTTOM "TOLERANCE" at 16175,12745 h25 r270; ASSEMBLY_BOTTOM "NO-POP" at 16275,12745 h25 r270; SYMBOL_PART_DIM "0" at 16262,12653 h25 r270; SYMBOL_PART_DIM "0" at 16191,12737 h25 r270; SYMBOL_PART_DIM "C402-35X32" at 16137,12622 h25 r270; SYMBOL_PART_DIM "PAD 35X32 OV" at 16087,12622 h25 r270
R103: PIN_NUMBER "1" at 12292,13180 h20 r90; PIN_NUMBER "2" at 12292,13140 h20 r90; ASSEMBLY_BOTTOM "USERPART#" at 12450,13160 h25 r90; ASSEMBLY_BOTTOM "TOLERANCE" at 12400,13160 h25 r90; ASSEMBLY_BOTTOM "NO-POP" at 12300,13160 h25 r90; SYMBOL_PART_DIM "0" at 12313,13252 h25 r90; SYMBOL_PART_DIM "0" at 12384,13168 h25 r90; SYMBOL_PART_DIM "C402-35X32" at 12438,13283 h25 r90; SYMBOL_PART_DIM "PAD 35X32 OV" at 12488,13283 h25 r90
R104: PIN_NUMBER "2" at 12017,13005 h20 r90; PIN_NUMBER "1" at 12017,13045 h20 r90; ASSEMBLY_BOTTOM "USERPART#" at 12175,13025 h25 r90; ASSEMBLY_BOTTOM "TOLERANCE" at 12125,13025 h25 r90; ASSEMBLY_BOTTOM "0" at 12025,13025 h25 r90; SYMBOL_PART_DIM "0" at 12038,13117 h25 r90; SYMBOL_PART_DIM "0" at 12109,13033 h25 r90; SYMBOL_PART_DIM "C402-35X32" at 12163,13148 h25 r90; SYMBOL_PART_DIM "PAD 35X32 OV" at 12213,13148 h25 r90
R105: PIN_NUMBER "2" at 11922,13000 h20; PIN_NUMBER "1" at 11962,13000 h20; ASSEMBLY_BOTTOM "USERPART#" at 11950,12850 h25; ASSEMBLY_BOTTOM "TOLERANCE" at 11950,12900 h25; ASSEMBLY_BOTTOM "NO-POP" at 11950,13000 h25; SYMBOL_PART_DIM "0" at 12042,12987 h25; SYMBOL_PART_DIM "0" at 11958,12916 h25; SYMBOL_PART_DIM "C402-35X32" at 12073,12862 h25; SYMBOL_PART_DIM "PAD 35X32 OV" at 12073,12812 h25
R106: PIN_NUMBER "1" at 12217,13220 h20 r90; PIN_NUMBER "2" at 12217,13180 h20 r90; ASSEMBLY_BOTTOM "USERPART#" at 12375,13200 h25 r90; ASSEMBLY_BOTTOM "TOLERANCE" at 12325,13200 h25 r90; ASSEMBLY_BOTTOM "NO-POP" at 12225,13200 h25 r90; SYMBOL_PART_DIM "0" at 12238,13292 h25 r90; SYMBOL_PART_DIM "0" at 12309,13208 h25 r90; SYMBOL_PART_DIM "C402-35X32" at 12363,13323 h25 r90; SYMBOL_PART_DIM "PAD 35X32 OV" at 12413,13323 h25 r90
R107: PIN_NUMBER "1" at 12139,13125 h40 r180; PIN_NUMBER "2" at 12079,13125 h40 r180; ASSEMBLY_TOP "100" at 12150,13140 h40 r180; ASSEMBLY_TOP "X" at 12120,13140 h40 r180; ASSEMBLY_TOP "X" at 12085,13140 h40 r180; SYMB_DIM "PAD 35X45OV" at 11940,13050 h40 r180; SYMB_DIM "SM  43X53OV" at 11940,13110 h40 r180; SYMB_DIM "SP  35X45OV" at 11940,13180 h40 r180; SYMB_DIM "R603-35X45" at 12335,12935 h40 r180; SYMB_DIM "0" at 12145,13265 h40 r180; SYMB_DIM "0" at 12270,13145 h40 r180
R108: PIN_NUMBER "1" at 12217,13305 h20 r90; PIN_NUMBER "2" at 12217,13265 h20 r90; ASSEMBLY_BOTTOM "USERPART#" at 12375,13285 h25 r90; ASSEMBLY_BOTTOM "TOLERANCE" at 12325,13285 h25 r90; ASSEMBLY_BOTTOM "0" at 12225,13285 h25 r90; SYMBOL_PART_DIM "0" at 12238,13377 h25 r90; SYMBOL_PART_DIM "0" at 12309,13293 h25 r90; SYMBOL_PART_DIM "C402-35X32" at 12363,13408 h25 r90; SYMBOL_PART_DIM "PAD 35X32 OV" at 12413,13408 h25 r90
R109: PIN_NUMBER "2" at 12037,13320 h20 r270; PIN_NUMBER "1" at 12037,13280 h20 r270; ASSEMBLY_BOTTOM "USERPART#" at 11895,13300 h25 r270; ASSEMBLY_BOTTOM "TOLERANCE" at 11945,13300 h25 r270; ASSEMBLY_BOTTOM "NO-POP" at 12045,13300 h25 r270; SYMBOL_PART_DIM "0" at 12032,13208 h25 r270; SYMBOL_PART_DIM "0" at 11961,13292 h25 r270; SYMBOL_PART_DIM "C402-35X32" at 11907,13177 h25 r270; SYMBOL_PART_DIM "PAD 35X32 OV" at 11857,13177 h25 r270
R110: PIN_NUMBER "1" at 15542,11745 h20 r90; PIN_NUMBER "2" at 15542,11705 h20 r90; ASSEMBLY_BOTTOM "USERPART#" at 15700,11725 h25 r90; ASSEMBLY_BOTTOM "TOLERANCE" at 15650,11725 h25 r90; ASSEMBLY_BOTTOM "10K" at 15550,11725 h25 r90; SYMBOL_PART_DIM "0" at 15563,11817 h25 r90; SYMBOL_PART_DIM "0" at 15634,11733 h25 r90; SYMBOL_PART_DIM "C402-35X32" at 15688,11848 h25 r90; SYMBOL_PART_DIM "PAD 35X32 OV" at 15738,11848 h25 r90
R111: PIN_NUMBER "1" at 15542,11905 h20 r270; PIN_NUMBER "2" at 15542,11945 h20 r270; ASSEMBLY_BOTTOM "USERPART#" at 15400,11925 h25 r270; ASSEMBLY_BOTTOM "TOLERANCE" at 15450,11925 h25 r270; ASSEMBLY_BOTTOM "10K" at 15550,11925 h25 r270; SYMBOL_PART_DIM "0" at 15537,11833 h25 r270; SYMBOL_PART_DIM "0" at 15466,11917 h25 r270; SYMBOL_PART_DIM "C402-35X32" at 15412,11802 h25 r270; SYMBOL_PART_DIM "PAD 35X32 OV" at 15362,11802 h25 r270